# Altium PCB SLMVRtt_REV1.3_MH.PcbDoc
Units mm, origin at the board's own origin, x right, y up, seen from the top; angles counter-clockwise.
Board outline 50 x 50 mm, 2 copper layers (Top Layer, Bottom Layer); 95 components, 62 nets, 334 pads, 204 vias.
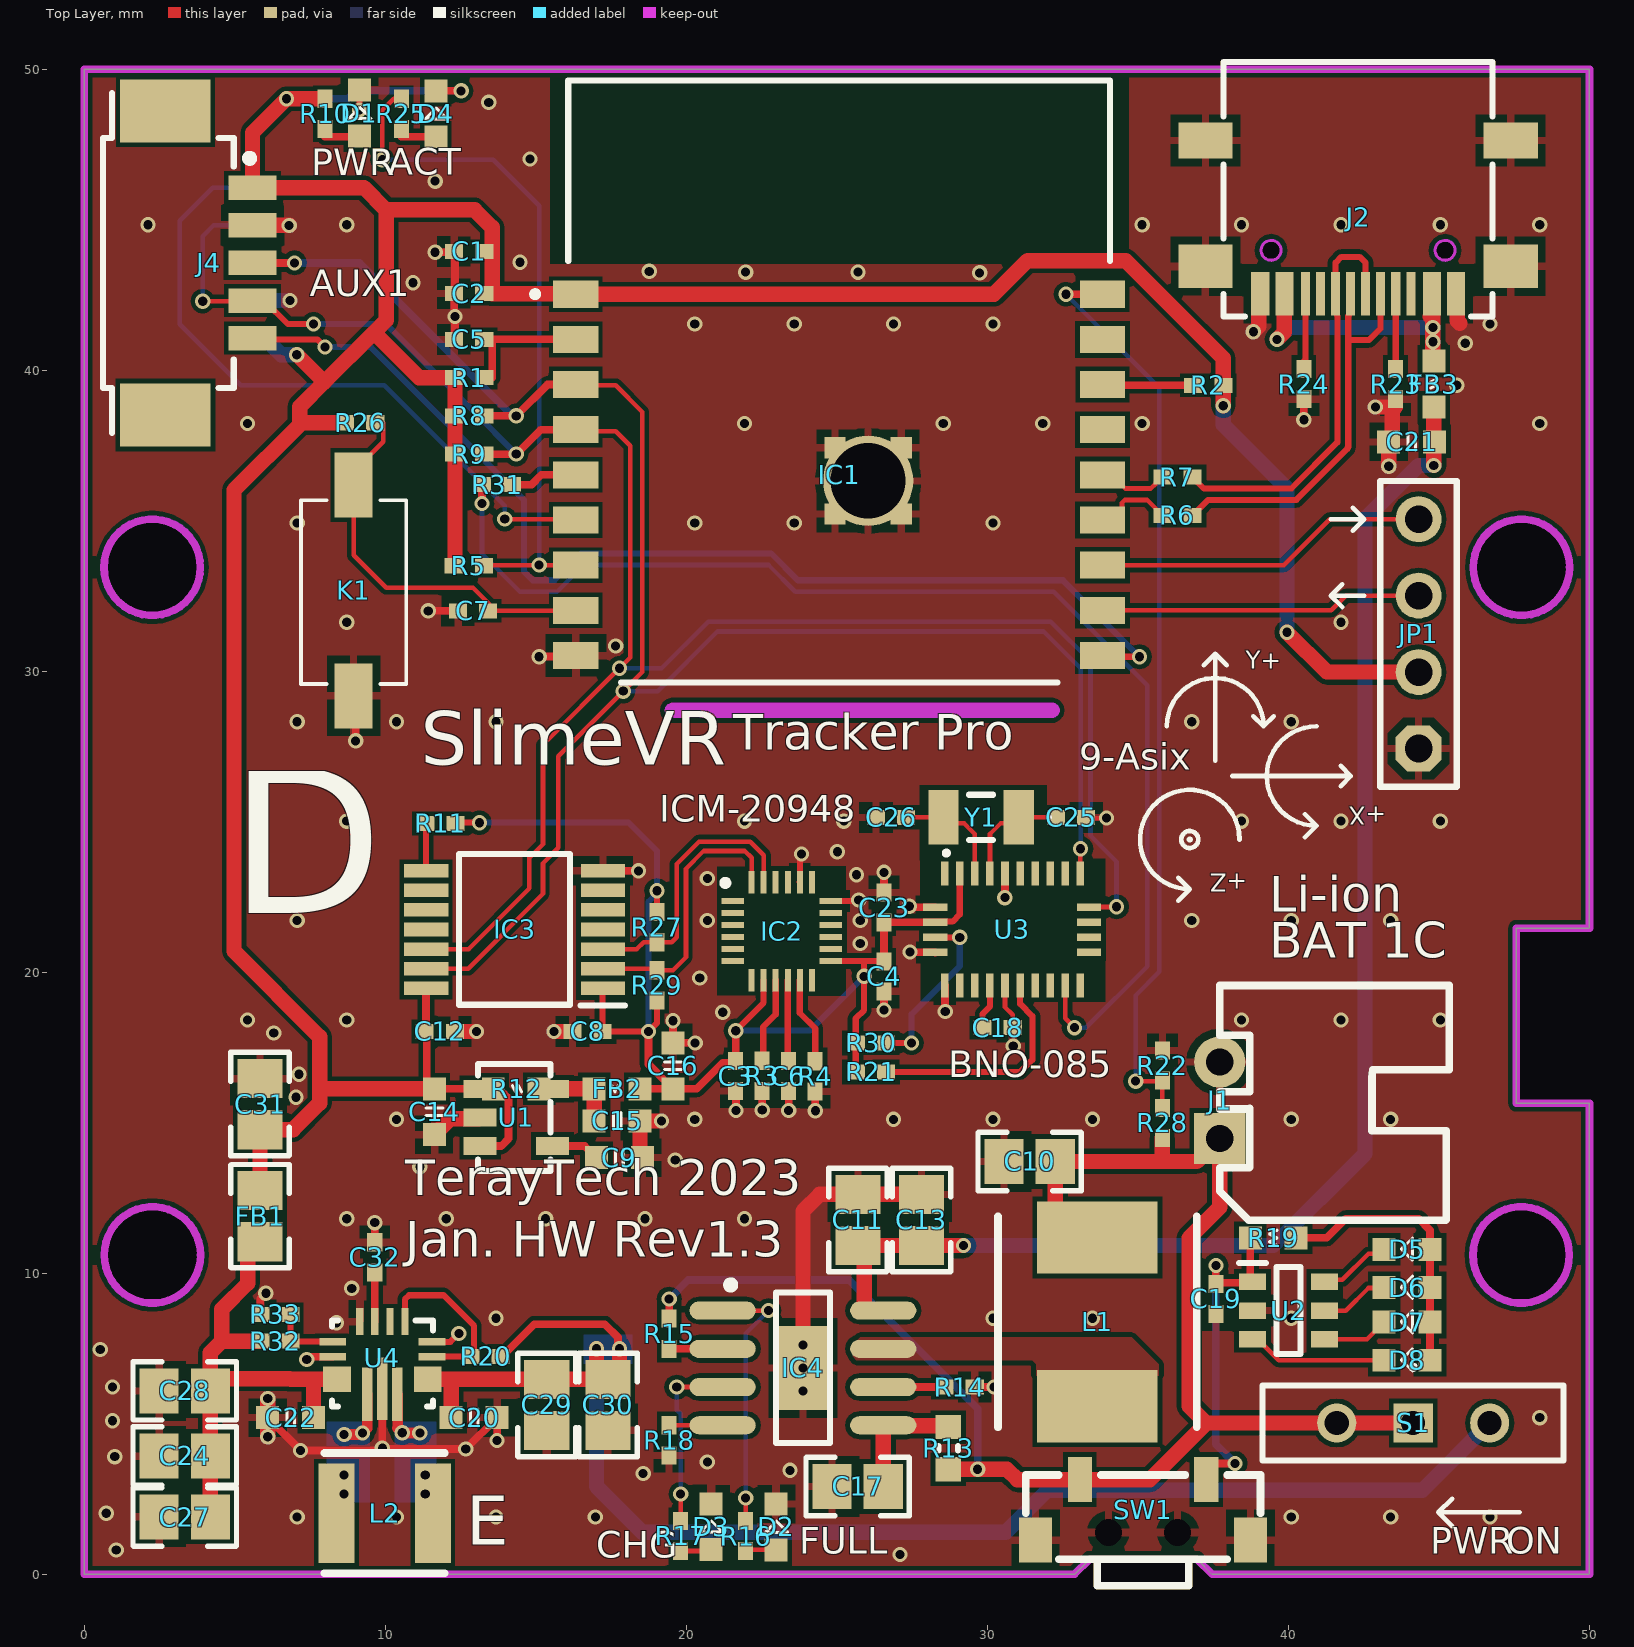
[diagram p0: Top Layer view]
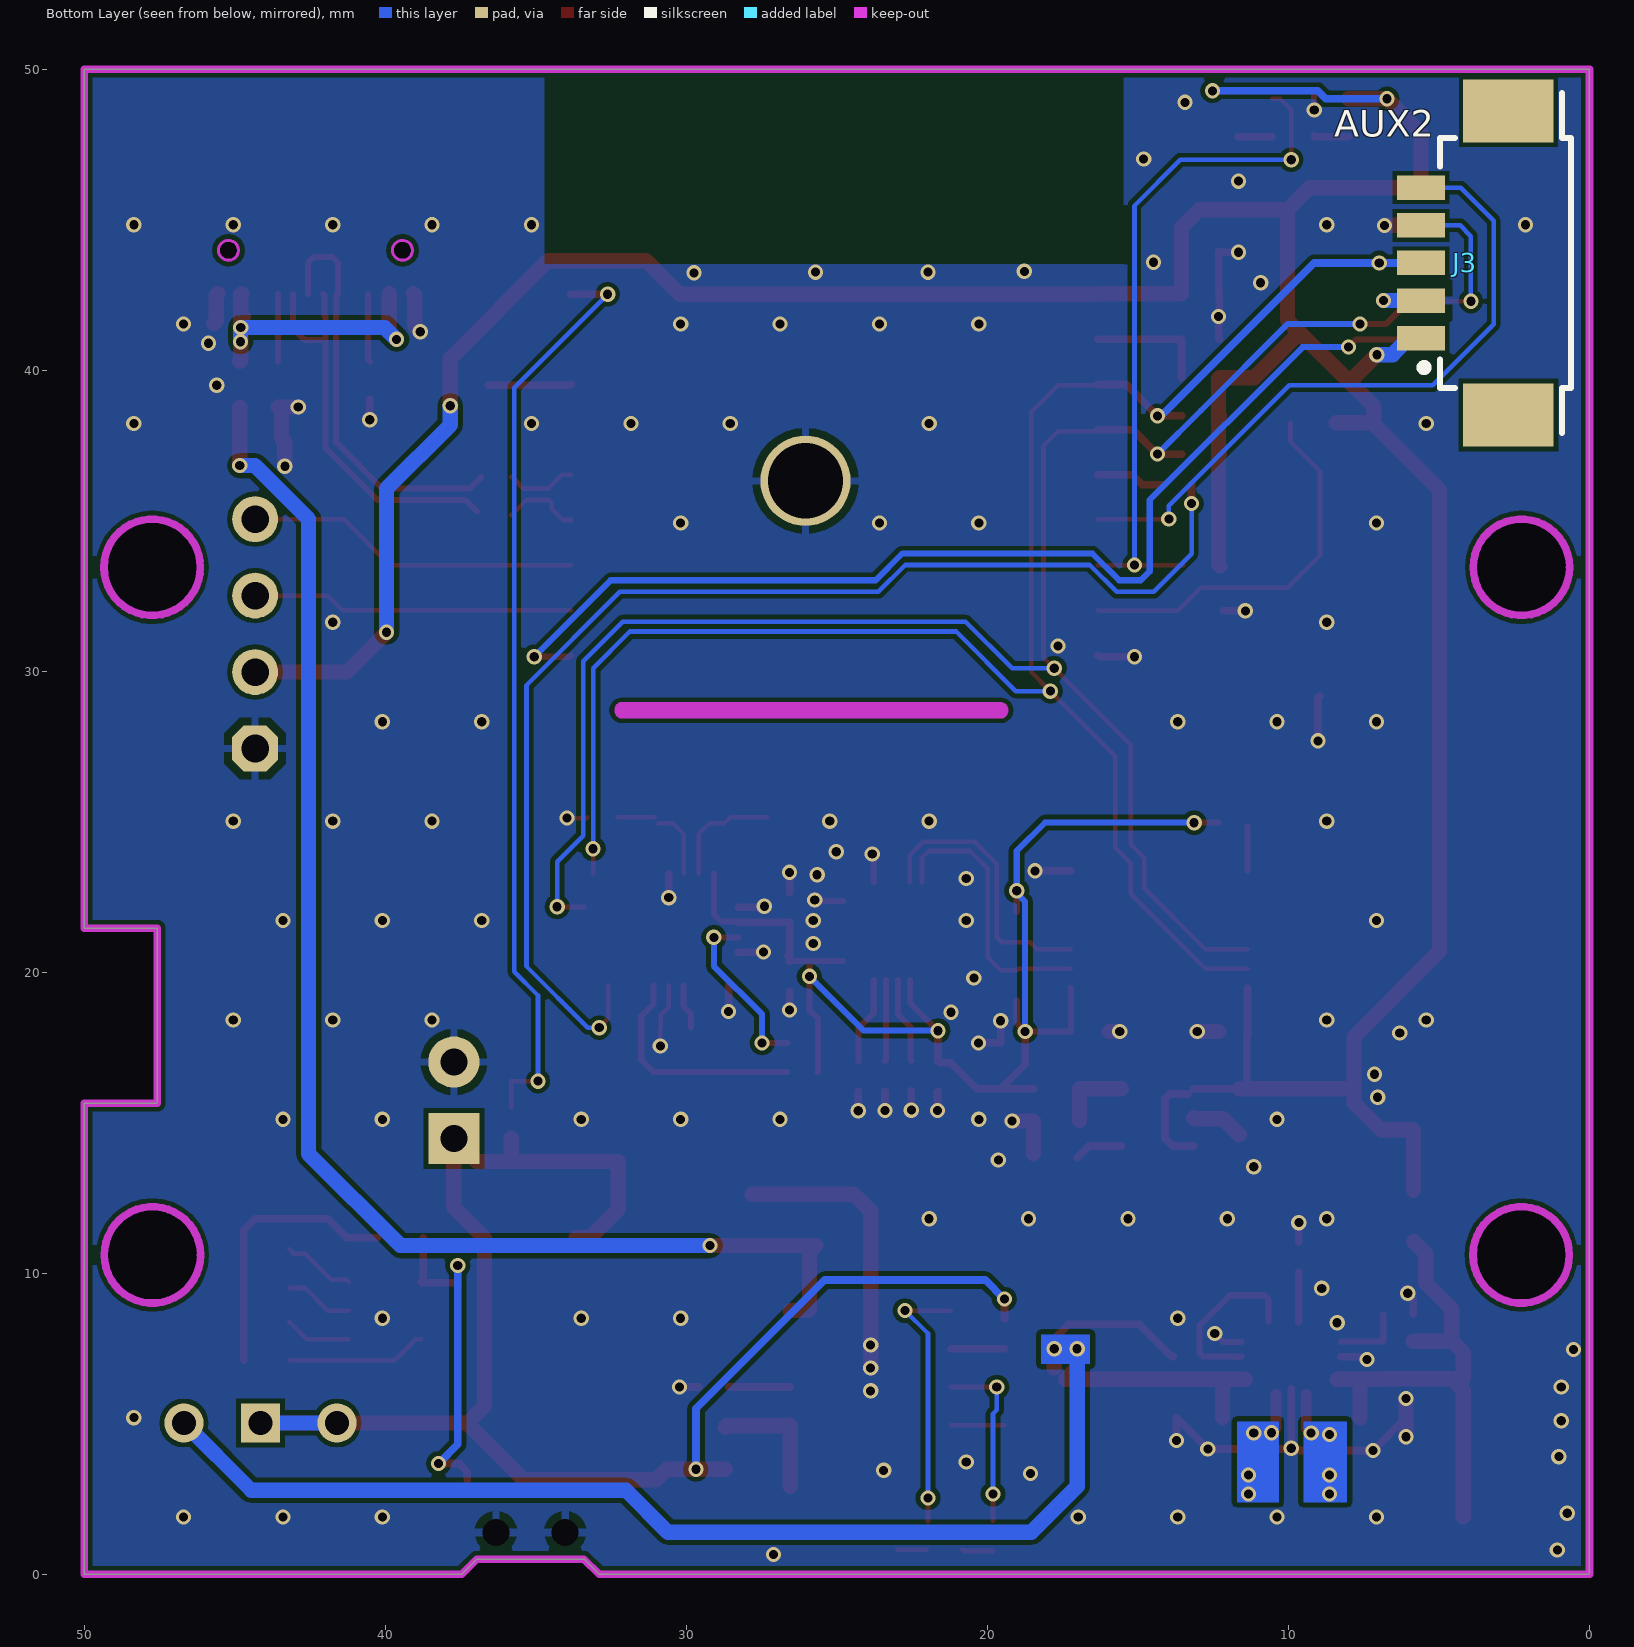
[diagram p1: Bottom Layer view, seen from below]

## Layer stack, top to bottom
Top Solder: solder mask 0.0102, Solder Resist, Dk 3.5
Top Layer: signal copper 0.0356
Dielectric 1: dielectric 0.32, FR-4, Dk 4.8
Bottom Layer: signal copper 0.0356
Bottom Solder: solder mask 0.0102, Solder Resist, Dk 3.5

## Board outline
0,0 0,50 50,50 50,21.463 47.574,21.463 47.574,15.646 50,15.646 50,0 37.465,0 36.957,0.508 33.401,0.508 32.893,0
cut-out: 46.139,33.452 ccw(c47.739,33.452) 47.739,31.852 ccw(c47.739,33.452) 49.339,33.452 ccw(c47.739,33.452) 47.739,35.052 ccw(c47.739,33.452)
cut-out: 46.133,10.611 ccw(c47.733,10.611) 47.733,9.011 ccw(c47.733,10.611) 49.333,10.611 ccw(c47.733,10.611) 47.733,12.211 ccw(c47.733,10.611)
cut-out: 0.667,10.611 ccw(c2.267,10.611) 2.267,9.011 ccw(c2.267,10.611) 3.867,10.611 ccw(c2.267,10.611) 2.267,12.211 ccw(c2.267,10.611)
cut-out: 0.661,33.452 ccw(c2.261,33.452) 2.261,31.852 ccw(c2.261,33.452) 3.861,33.452 ccw(c2.261,33.452) 2.261,35.052 ccw(c2.261,33.452)
cut-out: 19.558,28.448 cw(c19.558,28.702) 19.558,28.956 32.131,28.956 cw(c32.131,28.702) 32.385,28.702 cw(c32.131,28.702) 32.131,28.448
cut-out: 44.875,43.98 ccw(c45.205,43.98) 45.205,43.65 ccw(c45.205,43.98) 45.536,43.98 ccw(c45.205,43.98) 45.205,44.31 ccw(c45.205,43.98)
cut-out: 39.095,43.98 ccw(c39.425,43.98) 39.425,43.65 ccw(c39.425,43.98) 39.756,43.98 ccw(c39.425,43.98) 39.425,44.31 ccw(c39.425,43.98)

## Design rules (kind name [scope] priority, off if disabled: settings)
Clearance [All] p1: gap=0.152 ignorepadtopadclearanceinfootprint=TRUE except(0: Arc-Hole Track-Hole SMDPad-Hole THPad-Hole Via-Hole Fill-Hole Poly-Hole Region-Hole Text-Hole; 0.254: Arc-Text Track-Text SMDPad-Text THPad-Text Via-Text Fill-Text Poly-Text Region-Text Text-Text)
ComponentClearance [All] p1 off: gap=0.254 collisioncheckmode=3 verticalgap=0.254 showdistances=FALSE
PolygonConnect PolygonConnect_1 [InNet('Netic4_7')] p1: connectstyle=Direct reliefconductorwidth=0.254 reliefentries=4 polygonreliefangle="90 Angle" airgapwidth=0.254
PolygonConnect PolygonConnect_1VIA [IsVia] p2: connectstyle=Direct reliefconductorwidth=0.254 reliefentries=4 polygonreliefangle="90 Angle" airgapwidth=0.254
PolygonConnect [All] p3: connectstyle=Relief reliefconductorwidth=0.254 reliefentries=4 polygonreliefangle="90 Angle" airgapwidth=0.254
RoutingVias [All] p1: holewidth=0.711 width=1.27 viastyle="Through Hole" minholewidth=0.305 minwidth=0.508 maxholewidth=0.711 maxwidth=1.27
SolderMaskExpansion [All] p1: expansion=0.102 istentingtop=FALSE
Width [All] p1: maxlimit=0.508 minlimit=0.152 preferedwidth=0.254 minimp=50.000000 maximp=50.000000 favimp=50.000000
29 further rules are at their usual default settings.

## Components (designator, comment, footprint, x,y, rotation, side; value= is the part's Value field where it differs from the comment)
C1 "0.1uF" 0402L 12.789,43.942 r0 top value=104
C2 "0.1uF" 0402L 12.789,42.545 r0 top value=104
C3 "0.1uF" 0402L 21.641,16.553 r270 top value=104
C4 "0.1uF" 0402L 26.568,19.863 r270 top value=104
C5 "1uF" 0402L 12.789,41.021 r0 top value=104
C6 "0.1uF" 0402L 23.393,16.553 r90 top value=104
C7 "0.1uF" 0402L 12.916,32.004 r180 top value=104
C8 "0.1uF" 0402L 16.721,18.034 r180 top value=104
C9 "NC" 0603_C 17.78,13.843 r180 top value=104
C10 "22uF" 0805 31.408,13.716 r0 top value=104
C11 "10uF" 0805 25.7,11.772 r270 top value=104
C12 "0.1uF" 0402L 11.811,18.034 r0 top value=104
C13 "22uF" 0805 27.813,11.772 r270 top value=104
C14 "2.2uF" 0603_C 11.633,15.367 r90 top value=104
C15 "2.2uF" 0603_C 17.704,15.062 r180 top value=104
C16 "1uF" 0603_C 19.558,16.891 r270 top value=104
C17 "22uF" 0805 25.693,2.921 r0 top value=104
C18 "0.1uF" 0402L 30.345,18.161 r180 top value=104
C19 "0.1uF" 0402L 37.592,9.152 r90 top value=104
C20 "10uF" 0603_C 12.954,5.207 r0 top value=104
C21 "2.2uF" 0603_C 44.094,37.617 r0 top value=104
C22 "10uF" 0603_C 6.858,5.207 r180 top value=104
C23 "0.1uF" 0402L 26.568,22.149 r270 top value=104
C24 "22uF" 0805 3.341,3.937 r180 top value=104
C25 "12pF" 0402L 32.783,25.146 r180 top value=104
C26 "12pF" 0402L 26.805,25.146 r0 top value=104
C27 "22uF" 0805 3.341,1.905 r180 top value=104
C28 "22uF" 0805 3.341,6.096 r180 top value=104
C29 "10uF" 0805 15.367,5.627 r90 top value=104
C30 "10uF" 0805 17.399,5.627 r90 top value=104
C31 "10uF" 0805 5.842,15.621 r270 top value=104
C32 "0.1uF" 0402L 9.652,10.533 r270 top value=104
D1 "黄" 0603_LED 9.144,48.514 r90 top
D2 "红" 0603_LED 22.987,1.549 r90 top
D3 "绿" 0603_LED 20.828,1.557 r90 top
D4 "蓝" 0603_LED 11.684,48.489 r90 top
D5 "黄" 0603_LED 43.967,10.795 r180 top
D6 "黄" 0603_LED 43.967,9.525 r180 top
D7 "黄" 0603_LED 43.967,8.382 r180 top
D8 "黄" 0603_LED 43.967,7.112 r180 top
FB1 "600Ω @ 100MHz" 0805 5.842,11.899 r90 top
FB2 "600Ω @ 100MHz" 0603 17.704,16.129 r0 top
FB3 "600Ω @ 100MHz" 0603 44.831,39.535 r270 top
IC1 "ESP32-C3-WROOM-02-N4" ESP32C3WROOM02N4 26.04,36.322 r0 top locked
IC2 "ICM-20948" QFN40P300X300X105-25N-D 23.171,21.368 r0 top
IC3 "LSF0204PWR" SOP65P640X120-14N 14.295,21.421 r180 top
IC4 "IP2312" SOIC-8N 23.876,6.858 r0 top
J1 "2PIN" XH2.54-WI-2P 37.719,15.748 r90 top
J2 "USB_TYPEC_2.0" USB_TYPEC_2.0_Horizontal_SMT 42.315,47.63 r180 top
J3 "HEADER-5PIN" HEADER_5P_1.25_RT 2.794,43.561 r90 bottom
J4 "HEADER-5PIN" HEADER_5P_1.25_RT 2.794,43.561 r270 top
JP1 "header 4PIN" header4 44.323,27.432 r90 top
K1 "KEY" KEY_2 9.36,32.893 r270 top
L1 "INDUCTOR" "Inductor  SLO0650" 33.655,8.388 r180 top value=1uH
L2 "INDUCTOR" "Inductor  SMNR4020" 9.982,2.032 r270 top value=1.5uH
R1 "10K" 0402L 12.789,39.751 r0 top value=1K
R2 "10K" 0402L 37.338,39.497 r0 top value=1K
R3 "10K" 0402L 22.517,16.561 r270 top value=1K
R4 "10K" 0402L 24.282,16.543 r270 top value=1K
R5 "10K" 0402L 12.776,33.503 r0 top value=1K
R6 "0R" 0402L 36.314,35.179 r180 top value=1K
R7 "0R" 0402L 36.314,36.449 r180 top value=1K
R8 "4.7K" 0402L 12.789,38.481 r180 top value=1K
R9 "4.7K" 0402L 12.789,37.211 r180 top value=1K
R10 "10K" 0402L 8.001,48.514 r270 top value=1K
R11 "10K" 0402L 11.836,24.943 r180 top value=1K
R12 "NC" 0603 14.351,16.129 r180 top value=1K
R13 "510mR" 0603L 28.702,4.191 r270 top value=1K
R14 "135K" 0402L 29.083,6.223 r0 top value=1K
R15 "1K" 0402L 19.431,7.993 r90 top
R16 "100R" 0402L 21.971,1.27 r90 top value=1K
R17 "100R" 0402L 19.812,1.278 r90 top value=1K
R18 "51K" 0402L 19.431,4.453 r90 top value=1K
R19 "330R" 0603_R 39.497,11.176 r0 top value=1K
R20 "10K" 0402L 13.335,7.239 r180 top value=1K
R21 "10K" 0402L 26.137,16.688 r0 top value=1K
R22 "10K" 0402L 35.814,16.899 r270 top value=1K
R23 "5.1K" 0402L 43.561,39.535 r270 top value=1K
R24 "5.1K" 0402L 40.513,39.535 r270 top value=1K
R25 "10K" 0402L 10.541,48.514 r270 top value=1K
R26 "10K" 0402L 9.169,38.252 r180 top value=1K
R27 "4.7K" 0402L 19.025,21.496 r90 top value=1K
R28 "10K" 0402L 35.814,14.994 r270 top value=1K
R29 "4.7K" 0402L 19.025,19.566 r270 top value=1K
R30 "10K" 0402L 26.137,17.653 r0 top value=1K
R31 "100R" 0402L 13.716,36.195 r180 top value=1K
R32 "470K" 0402L 6.35,7.747 r180 top value=1K
R33 "470K" 0402L 6.35,8.636 r0 top value=1K
S1 "BSI-10" BSI10 44.145,5.029 r180 top locked
SW1 "switch 侧按" "TSW 3*6*4.3-S-W" 35.172,1.397 r0 top
U1 "SPX3819-1.8" SOT-23-5 14.427,15.202 r270 top
U2 "HX70A" SOT95P250X110-6N 40.005,8.763 r0 top
U3 "BNO-08x" BNO085 30.837,21.408 r90 top
U4 "TPS63070RNMR" RNM0015A 9.906,7.002 r270 top value=Value
Y1 "FC-135_32.7680KA-AG0" FC135327680KAAG0 29.794,25.146 r180 top

## Footprints (in the part's own frame and the unit in brackets; to place one, negate y for a bottom-side part, rotate by r counter-clockwise, add the part's x,y. Pads: shape width x height; smd on the part's side, far side on the other; paste and mask are expansions set on the pad)
0402L [mm] "0402 from SM-752 data"
  rect 0.6x0.5 smd: 1(-0.5,0) 2(0.5,0)
  body extent -0.55,-0.3 0.55,0.3, height 0.6
0603 [mil]
  rect 30x30 smd: 1(-30,0) 2(30,0)
  silkscreen extent -7,-4 5,4, body extent -31,-18 31,19, height 34
0603_C [mil] "Capacitor"
  rect 30x30 smd: 1(-30,0) 2(30,0)
  silkscreen extent -5,-11 5,11, body extent -51,-18 52,21, height 35
0603_LED [mil]
  rect 30x30 smd: 1(31,0) 2(-29,0)
  silkscreen extent -6,-15 9,14, body extent -31,-16 31,16, height 24
0603_R [mil]
  rect 30x30 smd: 1(-30,0) 2(30,0)
  silkscreen extent -5,-10 5,10, body extent -34,-19 34,19, height 39
0603L [mm] "0603 from SM-752 data"
  rect 0.8x0.85 smd: 1(-0.7,0) 2(0.7,0)
  silkscreen extent -0.07,-0.33 0.07,0.33, body extent -0.87,-0.47 0.87,0.47, height 1
0805 [mm] "0805 from SM-752 data"
  rect 1.3x1.5 smd: 1(-0.85,0) 2(0.85,0)
  silkscreen extent -1.72,-0.97 1.72,0.97, body extent -1.1,-0.72 1.1,0.72, height 1.45
BNO085 [mm]
  rect 0.8x0.25 smd: 1(1.868,2.25) 6(-1.842,2.25) 7(-1.842,1.75) 8(-1.842,1.25) 9(-1.842,0.75) 10(-1.842,0.25) 11(-1.842,-0.25) 12(-1.842,-0.75) 13(-1.842,-1.25) 14(-1.842,-1.75) 15(-1.842,-2.25) 20(1.868,-2.25) 21(1.868,-1.75) 22(1.868,-1.25) 23(1.868,-0.75) 24(1.868,-0.25) 25(1.868,0.25) 26(1.868,0.75) 27(1.868,1.25) 28(1.868,1.75)
  rect 0.25x0.8 smd: 2(0.75,2.567) 3(0.25,2.567) 4(-0.25,2.567) 5(-0.75,2.567) 16(-0.75,-2.542) 17(-0.25,-2.542) 18(0.25,-2.542) 19(0.75,-2.542)
  silkscreen extent 2.5,2.15 2.6,2.25, body extent -1.9,-2.6 1.9,2.6, height 1.28
BSI10 [mm]
  rect 1.3x1.3 hole 0.8: 1(0,0)
  round 1.3 hole 0.8: 2(2.54,0) 3(-2.54,0)
  silkscreen extent -5,-1.9 5,1.25, body extent -5,-1.25 5,1.25, height 6.5
ESP32C3WROOM02N4 [mm]
  rect 1.5x0.9 smd: 1(-9.71,6.2) 2(-9.71,4.7) 3(-9.71,3.2) 4(-9.71,1.7) 5(-9.71,0.2) 6(-9.71,-1.3) 7(-9.71,-2.8) 8(-9.71,-4.3) 9(-9.71,-5.8) 10(7.79,-5.8) 11(7.79,-4.3) 12(7.79,-2.8) 13(7.79,-1.3) 14(7.79,0.2) 15(7.79,1.7) 16(7.79,3.2) 17(7.79,4.7) 18(7.79,6.2)
  rect 0.7x0.7 smd: 19(0,0) 20(1.1,0) 21(1.1,1.1) 22(0,1.1) 23(-1.1,1.1) 24(-1.1,0) 25(-1.1,-1.1) 26(0,-1.1) 27(1.1,-1.1)
  silkscreen extent -11.16,-6.7 8.04,13.3, body extent -10.31,-6.7 7.69,13.3, height 3.2
FC135327680KAAG0 [mm]
  rect 1x1.8 smd: 1(-1.25,0) 2(1.25,0)
  silkscreen extent -2.3,-0.75 0.4,0.75, body extent -1.6,-0.75 1.6,0.75, height 0.9
header4 [mil]
  oct 60x60 hole 36: 1(0,0)
  round 60 hole 36: 2(100,0) 3(200,0) 4(300,0)
  silkscreen extent -50,-50 350,50
HEADER_5P_1.25_RT [mm]
  rect 0.81x1.6 smd: 1(-2.5,2.8) 2(-1.25,2.8) 3(0,2.8) 4(1.25,2.8) 5(2.5,2.8)
  rect 2.1x3 smd: MP1(-5.05,-0.1) MP2(5.05,-0.1)
  silkscreen extent -5.65,-2.17 5.65,2.82, body extent -5.5,-2.1 5.5,3.3, height 3.4
"Inductor  SLO0650" [mm]
  rect 4x2.4 smd: 1(0,2.8) 2(0,-2.8)
  silkscreen extent -3.3,-3.5 3.3,3.5, body extent -3.3,-3.5 3.3,3.5, height 5
"Inductor  SMNR4020" [mm]
  rect 3.3x1.2 smd: 1(0,1.6) 2(0,-1.6)
  silkscreen extent -2,-2 2,2, body extent -2,-2 2,2, height 2
KEY_2 [mm] "贴片"
  rect 2.159x1.254 smd: 1(-3.291,-0.41) 2(3.709,-0.41)
  silkscreen extent -2.78,-2.16 3.31,1.34, body extent -2.8,-2.23 3.3,1.47
QFN40P300X300X105-25N-D [mm]
  rect 0.75x0.2 smd: 1(-1.627,1) 2(-1.627,0.6) 3(-1.627,0.2) 4(-1.627,-0.2) 5(-1.627,-0.6) 6(-1.627,-1) 13(1.627,-1) 14(1.627,-0.6) 15(1.627,-0.2) 16(1.627,0.2) 17(1.627,0.6) 18(1.627,1)
  rect 0.2x0.75 smd: 7(-1,-1.627) 8(-0.6,-1.627) 9(-0.2,-1.627) 10(0.2,-1.627) 11(0.6,-1.627) 12(1,-1.627) 19(1,1.627) 20(0.6,1.627) 21(0.2,1.627) 22(-0.2,1.627) 23(-0.6,1.627) 24(-1,1.627)
  silkscreen extent -1.97,1.5 -1.78,1.7, body extent -1.5,-1.5 1.5,1.5, height 0.98
RNM0015A [mm]
  rect 0.889x0.24 smd paste+0 mask+0.051: 1(-1.397,0.75) 2(-1.397,0.25) 3(-1.397,-0.25) 4(-1.397,-0.75)
  rect 0.24x0.889 smd paste+0 mask+0.051: 5(-0.725,-1.651) 6(-0.225,-1.651) 14(-0.225,1.651) 15(-0.725,1.651)
  rect 0.85x0.7 smd paste-0.35 mask-0.356: 7(0.525,-1.4) 12(0.525,1.4)
  rect 0.85x0.889 smd paste-0.35 mask-0.356: 8(0.525,-1.524) 13(0.525,1.524)
  rect 1.778x0.35 smd paste-0.712 mask-0.051: 9(1.016,-0.5) 11(1.016,0.5)
  rect 2.083x0.343 smd paste-0.887 mask-0.051: 10(0.838,0)
  silkscreen extent -1.43,-1.68 1.43,1.68, body extent -1.25,-1.5 1.25,1.5, height 1.1
SOIC-8N [mm] "SOIC, has a pad under it"
  oval 2.2x0.6 smd: 1(-2.667,1.905) 2(-2.667,0.635) 3(-2.667,-0.635) 4(-2.667,-1.905) 5(2.667,-1.905) 6(2.667,-0.635) 7(2.667,0.635) 8(2.667,1.905)
  rect 1.778x2.794 smd: 9(0,0)
  silkscreen extent -2.52,-2.5 0.9,2.88, body extent -3,-2.45 3,2.45, height 1.7
SOP65P640X120-14N [mm]
  rect 1.475x0.45 smd: 1(-2.938,1.95) 2(-2.938,1.3) 3(-2.938,0.65) 4(-2.938,0) 5(-2.938,-0.65) 6(-2.938,-1.3) 7(-2.938,-1.95) 8(2.938,-1.95) 9(2.938,-1.3) 10(2.938,-0.65) 11(2.938,0) 12(2.938,0.65) 13(2.938,1.3) 14(2.938,1.95)
  silkscreen extent -3.67,-2.5 1.85,2.52, body extent -3.2,-2.5 3.2,2.5, height 1.2
SOT95P250X110-6N [mm]
  rect 0.9x0.55 smd: 1(-1.2,0.95) 2(-1.2,0) 3(-1.2,-0.95) 4(1.2,-0.95) 5(1.2,0) 6(1.2,0.95)
  silkscreen extent -1.65,-1.45 0.4,1.58, body extent -1.25,-1.45 1.25,1.45, height 1.1
SOT-23-5 [mm]
  rect 0.6x1.1 smd: 1(-0.926,-1.273) 2(0.024,-1.273) 3(0.974,-1.273) 4(0.974,1.127) 5(-0.926,1.127)
  silkscreen extent -1.75,-1.34 1.8,1.07, body extent -1.45,-1.53 1.45,1.27, height 1.2
"TSW 3*6*4.3-S-W" [mm] "侧立贴片3*6*4.3"
  rect 1.1x1.5 smd: 0(-3.575,-0.25) 0(3.575,-0.25)
  round 0 hole 0.9: 0(-1.15,0) 0(1.15,0)
  rect 0.8x1.5 smd: 1(2.1,1.75) 2(-2.1,1.75)
  silkscreen extent -3.9,-1.78 3.9,1.91, body extent -3.9,-1.79 3.9,1.91, height 3.51
USB_TYPEC_2.0_Horizontal_SMT [mm]
  rect 0.6x1.45 smd: A1(-3.25,5.095) A4(-2.45,5.095) A9(2.45,5.095) A12(3.25,5.095)
  rect 0.3x1.45 smd: A5(-1.25,5.095) A6(-0.25,5.095) A7(0.25,5.095) A8(1.25,5.095) B5(1.75,5.095) B6(0.75,5.095) B7(-0.75,5.095) B8(-1.75,5.095)
  rect 1.8x1.45 smd: Shell(-5.07,4.18) Shell(5.07,4.18)
  rect 1.8x1.2 smd: Shell(-5.07,0) Shell(5.07,0)
  Keep-Out Layer board cut-out: 2.89,3.325 2.766,3.35 2.66,3.42 2.59,3.526 2.565,3.65 2.565,3.65 2.59,3.774 2.66,3.88 2.766,3.95 2.89,3.975 2.89,3.975 3.014,3.95 3.12,3.88 3.19,3.774 3.215,3.65 3.215,3.65 3.19,3.526 3.12,3.42 3.014,3.35 2.89,3.325
  Keep-Out Layer board cut-out: -2.89,3.325 -3.014,3.35 -3.12,3.42 -3.19,3.526 -3.215,3.65 -3.215,3.65 -3.19,3.774 -3.12,3.88 -3.014,3.95 -2.89,3.975 -2.89,3.975 -2.766,3.95 -2.66,3.88 -2.59,3.774 -2.565,3.65 -2.565,3.65 -2.59,3.526 -2.66,3.42 -2.766,3.35 -2.89,3.325
  silkscreen extent -4.47,-2.6 4.47,5.85
XH2.54-WI-2P [mm] "接插件，2P"
  rect 1.7x1.7 hole 0.9: 1(-1.27,0)